# Altium PCB F103ZET6.PcbDoc (part 3 of 3)
Units mil, origin at the board's own origin, x right, y up, seen from the top; angles counter-clockwise.
Board outline 4625 x 2435 mil, 2 copper layers (Top Layer, Bottom Layer); 135 components, 144 nets, 623 pads, 269 vias.
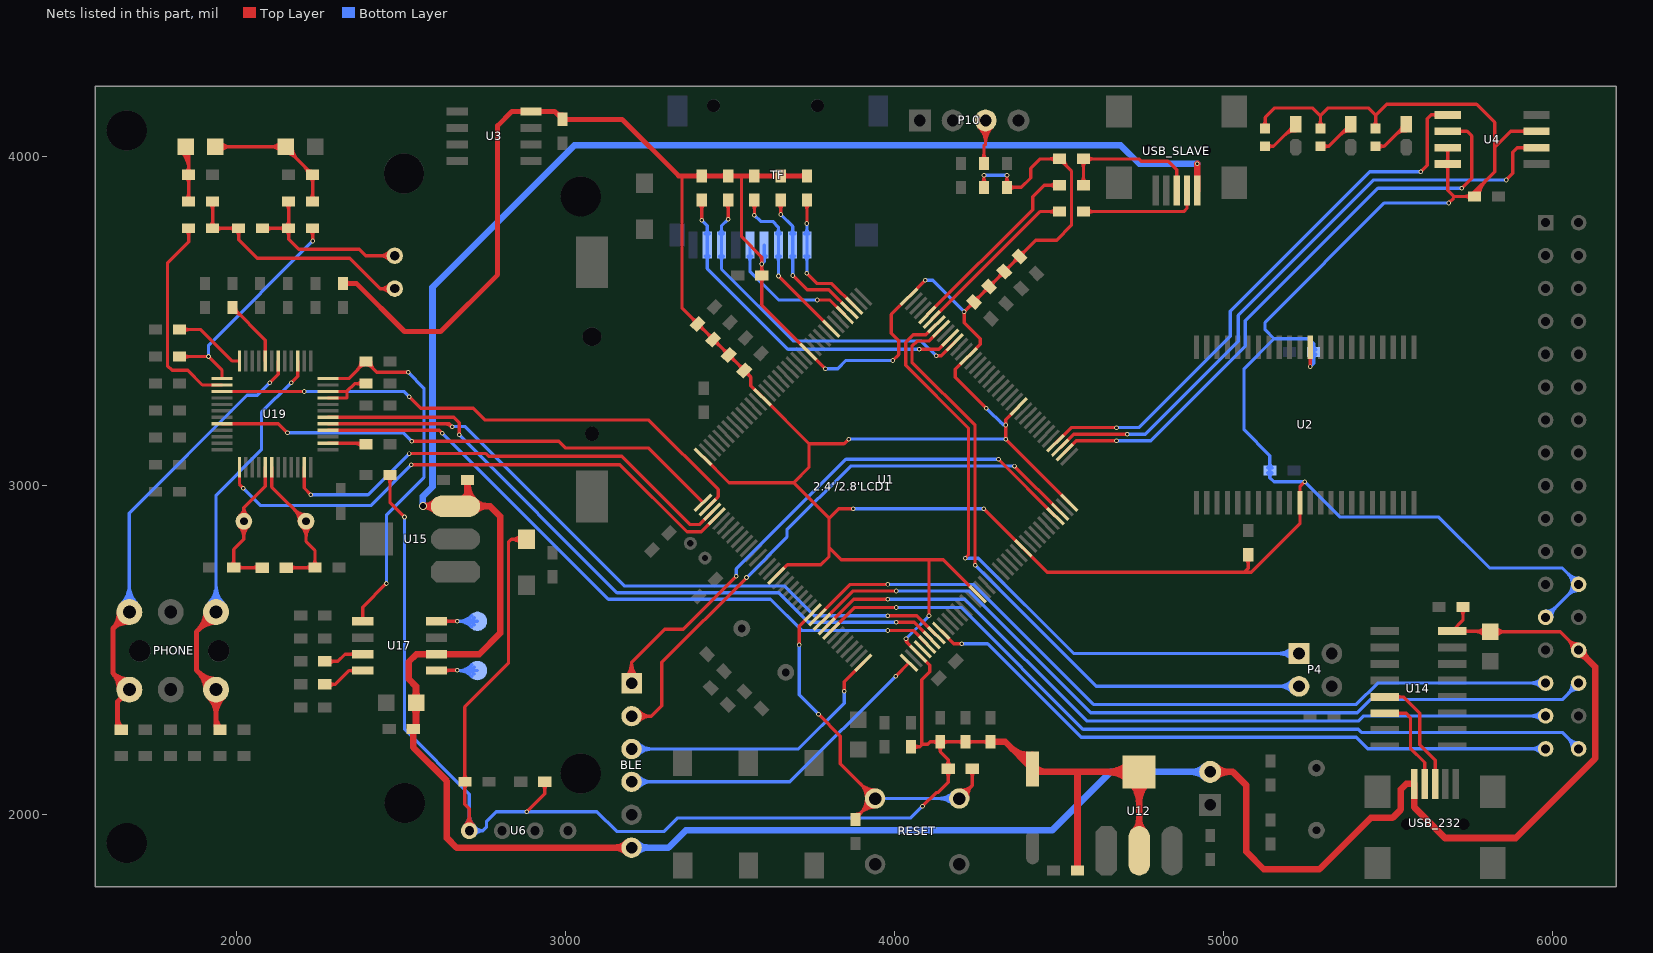
[diagram p3: the nets of this part, all layers, seen from the top]

## Via types
v1: diameter 14, hole 8, Top Layer to Bottom Layer, 262 vias
v2: diameter 24, hole 18, Top Layer to Bottom Layer, 5 vias
v3: diameter 132, hole 122.05, Top Layer to Bottom Layer, 2 vias

## Nets (pads, with @x,y where several pads share a name; then routed paths per layer and width w, separated by ;. In a path a pad name is that pad's centre, name@x,y a point inside that pad or via, vN(x,y) a via of type N, cw(c..) or ccw(c..) an arc to the next point about the centre after c; other vN are vias at no path point) (continued)
NetC87_2: C87.2 R69.1 U19.18 Y4.1 | length 719.6
  Top Layer w10: U19.18@2106.32,3056.5 2106.32,2996.17 Y4.1@2210.49,2892 2210.49,2830.51 2237.5,2803.5 C87.2@2237.5,2751 R69.1@2150.5,2751 ; R69.1@2162.35,2743.4 cw(c2180.7,2725.05) 2180.7,2751 cw(c2180.7,2776.95) R69.1@2162.35,2758.6 ; Y4.1@2189.9,2892 ccw(c2140.19,2892) 2175.34,2927.15 ccw(c2210.49,2962.3) Y4.1@2210.49,2912.59 ; Y4.1@2195.93,2877.44 cw(c2160.78,2842.29) 2210.49,2842.29 cw(c2260.2,2842.29) Y4.1@2225.05,2877.44 ; C87.2@2225.43,2743.93 ccw(c2208.36,2726.86) 2208.36,2751 ccw(c2208.36,2775.14) C87.2@2225.43,2758.07 ; C87.2@2230.43,2758.07 ccw(c2213.36,2775.14) 2237.5,2775.14 ccw(c2261.64,2775.14) C87.2@2244.57,2758.07
NetC88_2: C88.2 R69.2 U19.17 Y4.2 | length 685.1
  Top Layer w10: C88.2@1983.43,2758.07 ccw(c1966.36,2775.14) 1990.5,2775.14 ccw(c2014.64,2775.14) C88.2@1997.57,2758.07 ; C88.2@2002.57,2743.93 cw(c2019.64,2726.86) 2019.64,2751 cw(c2019.64,2775.14) C88.2@2002.57,2758.07 ; Y4.2@2006.95,2877.44 cw(c1971.8,2842.29) 2021.51,2842.29 cw(c2071.22,2842.29) Y4.2@2036.07,2877.44 ; Y4.2@2009.05,2908.39 ccw(c1989.97,2933.51) 2021.51,2933.51 ; Y4.2@2033.97,2908.39 cw(c2053.06,2933.51) 2021.51,2933.51 ; R69.2@2065.65,2743.4 ccw(c2047.3,2725.05) 2047.3,2751 ccw(c2047.3,2776.95) R69.2@2065.65,2758.6 ; R69.2@2077.5,2751 C88.2@1990.5,2751 1990.5,2806.5 2021.51,2837.51 Y4.2@2021.51,2892 2021.51,2933.51 ; U19.17@2086.63,3056.5 2086.63,2998.63 2021.51,2933.51
NetC89_2: C89.2 C90.2 R71.1 R73.2 | length 786.2
  Top Layer w10: C90.2@1935,4031 C89.2@2149,4031 ; C90.2@1949.14,4016.86 cw(c1983.28,3982.72) 1983.28,4031 cw(c1983.28,4079.28) C90.2@1949.14,4045.14 ; C89.2@2134.86,4016.86 ccw(c2100.72,3982.72) 2100.72,4031 ccw(c2100.72,4079.28) C89.2@2134.86,4045.14 ; C89.2@2149,4011 cw(c2149,3971.17) 2177.17,3999.33 ; C89.2@2149,4027.5 R71.1@2230.5,3946 R73.2@2230.5,3864.5 ; C89.2@2159,4031 ccw(c2191.59,4031) C89.2@2168.55,4007.95 ; C89.2@2169,4031 ccw(c2225.73,4031) 2185.62,3990.88 ; 2204.89,3971.61 cw(c2179.29,3946) R71.1@2215.5,3946 ; R71.1@2215.16,3961.34 ccw(c2226.25,3972.43) R71.1@2226.25,3956.75 ; R73.2@2222.9,3872.1 ccw(c2204.55,3890.45) 2230.5,3890.45 ccw(c2256.45,3890.45) R73.2@2238.1,3872.1 ; R71.1@2222.9,3938.4 cw(c2204.55,3920.05) 2230.5,3920.05 cw(c2256.45,3920.05) R71.1@2238.1,3938.4
NetC90_1: C90.1 R75.1 R76.1 | length 397.9
  Top Layer w10: C90.1@1830.86,4016.86 cw(c1776.19,3962.19) 1853.5,3962.19 ; C90.1@1837.93,4023.93 cw(c1800.34,3986.34) 1853.5,3986.34 ; R75.1@1845.9,3872.1 ccw(c1827.55,3890.45) 1853.5,3890.45 ccw(c1879.45,3890.45) R75.1@1861.1,3872.1 ; R76.1@1845.9,3938.4 cw(c1827.55,3920.05) 1853.5,3920.05 cw(c1879.45,3920.05) R76.1@1861.1,3938.4 ; R76.1@1845.9,3953.6 ccw(c1827.55,3971.95) 1853.5,3971.95 ccw(c1879.45,3971.95) R76.1@1861.1,3953.6 ; R75.1@1853.5,3864.5 R76.1@1853.5,3946 C90.1@1853.5,4022.5 ; 1853.5,4003.24 cw(c1872.76,4003.24) C90.1@1859.14,4016.86
NetC94_1: C94.1 U19.44 | length 242.4
  Top Layer w10: C94.1@1987,3527.5 cw(c1987,3491.29) 2012.61,3516.89 ; C94.1@1987,3542.5 2086.63,3442.87 U19.44@2086.63,3379.33 ; C94.1@1997,3537.5 ccw(c2009.07,3537.5) C94.1@2000.53,3528.96
NetC95_1: C95.1 C96.2 MIC.1 R73.1 | length 805.8
  Top Layer w10: C96.2@2078.5,3783 C95.1@2157.5,3783 ; C96.2@2090.57,3775.93 cw(c2107.64,3758.86) 2107.64,3783 cw(c2107.64,3807.14) C96.2@2090.57,3790.07 ; C95.1@2145.43,3775.93 ccw(c2128.36,3758.86) 2128.36,3783 ccw(c2128.36,3807.14) C95.1@2145.43,3790.07 ; R73.1@2149.9,3856.9 cw(c2131.55,3838.55) 2157.5,3838.55 cw(c2183.45,3838.55) R73.1@2165.1,3856.9 ; C95.1@2150.43,3775.93 cw(c2133.36,3758.86) 2157.5,3758.86 cw(c2181.64,3758.86) C95.1@2164.57,3775.93 ; C95.1@2150.43,3790.07 ccw(c2133.36,3807.14) 2157.5,3807.14 ccw(c2181.64,3807.14) C95.1@2164.57,3790.07 ; R73.1@2157.5,3864.5 C95.1@2157.5,3783 ; MIC.1@2466.15,3685.43 ccw(c2432.01,3651.29) 2432.01,3699.58 ccw(c2432.01,3747.86) MIC.1@2466.15,3713.72 ; MIC.1@2480.29,3699.58 2391.42,3699.58 2372,3719 2188,3719 2157.5,3749.5 C95.1@2157.5,3783
NetC95_2: C95.2 C104.2 U19.1 | length 769.1
  Top Layer w10: C104.2@1825.5,3392.83 1914.17,3392.83 1954.74,3352.26 U19.1@1954.74,3326.18 ; C104.2@1837.57,3385.76 cw(c1854.64,3368.69) 1854.64,3392.83 cw(c1854.64,3416.98) C104.2@1837.57,3399.9 ; C95.2@2223.43,3775.93 cw(c2206.36,3758.86) 2230.5,3758.86 cw(c2254.64,3758.86) C95.2@2237.57,3775.93 ; v1(2230.5,3744.5) C95.2@2230.5,3783
  Bottom Layer w10: v1(1914,3393) 1914,3428 v1(2230.5,3744.5)
NetC96_1: C96.1 C99.2 MIC.2 R75.2 | length 989.1
  Top Layer w10: R75.2@1918.9,3856.9 cw(c1900.55,3838.55) 1926.5,3838.55 cw(c1952.45,3838.55) R75.2@1934.1,3856.9 ; C99.2@1919.43,3790.07 ccw(c1902.36,3807.14) 1926.5,3807.14 ccw(c1950.64,3807.14) C99.2@1933.57,3790.07 ; R75.2@1926.5,3864.5 C99.2@1926.5,3783 C96.1@2005.5,3783 2005.5,3748.5 2062,3692 2344,3692 2436.42,3599.58 MIC.2@2480.29,3599.58 ; C99.2@1938.57,3775.93 cw(c1955.64,3758.86) 1955.64,3783 cw(c1955.64,3807.14) C99.2@1938.57,3790.07 ; C96.1@1993.43,3775.93 ccw(c1976.36,3758.86) 1976.36,3783 ccw(c1976.36,3807.14) C96.1@1993.43,3790.07 ; C96.1@1998.43,3775.93 cw(c1981.36,3758.86) 2005.5,3758.86 cw(c2029.64,3758.86) C96.1@2012.57,3775.93 ; MIC.2@2465.19,3586.46 ccw(c2436.43,3561.47) 2436.43,3599.58 ccw(c2436.43,3637.68) MIC.2@2465.19,3612.69
NetC99_1: C99.1 U19.2 | length 672.6
  Top Layer w10: C99.1@1846.43,3775.93 cw(c1829.36,3758.86) 1853.5,3758.86 cw(c1877.64,3758.86) C99.1@1860.57,3775.93 ; C99.1@1853.5,3783 1853.5,3741.5 1789,3677 1789,3365 1803,3351 1851,3351 1895.5,3306.5 U19.2@1954.74,3306.5
NetC103_2: C103.2 U19.48 | length 259.9
  Top Layer w10: C103.2@1825.5,3475 1891,3475 1986.67,3379.33 U19.48@2007.89,3379.33 ; C103.2@1837.57,3467.93 cw(c1854.64,3450.86) 1854.64,3475 cw(c1854.64,3499.14) C103.2@1837.57,3482.07
NetDS1_1: DS1.1 R20.2 | length 225.3
  Top Layer w10: R20.2@5463.16,4032.5 5488.7,4032.5 DS1.1@5556.2,4100 ; R20.2@5470.23,4025.42 cw(c5487.3,4008.35) 5487.3,4032.5 cw(c5487.3,4056.64) R20.2@5470.23,4039.57 ; 5522.06,4065.85 cw(c5556.2,4031.71) DS1.1@5556.2,4080 ; DS1.1@5539.13,4082.92 cw(c5556.2,4065.85) DS1.1@5556.2,4090 ; DS1.1@5540.16,4083.96 ccw(c5531.63,4092.5) DS1.1@5543.7,4092.5
NetDS2_1: DS2.1 R22.2 | length 225.3
  Top Layer w10: R22.2@5295.08,4032.5 5320.62,4032.5 DS2.1@5388.12,4100 ; R22.2@5302.15,4025.42 cw(c5319.22,4008.35) 5319.22,4032.5 cw(c5319.22,4056.64) R22.2@5302.15,4039.57 ; 5353.98,4065.85 cw(c5388.12,4031.71) DS2.1@5388.12,4080 ; DS2.1@5371.05,4082.92 cw(c5388.12,4065.85) DS2.1@5388.12,4090 ; DS2.1@5372.08,4083.96 ccw(c5363.55,4092.5) DS2.1@5375.62,4092.5
NetDS3_1: DS3.1 R24.2 | length 225.3
  Top Layer w10: R24.2@5126.99,4032.5 5152.54,4032.5 DS3.1@5220.04,4100 ; R24.2@5134.07,4025.42 cw(c5151.14,4008.35) 5151.14,4032.5 cw(c5151.14,4056.64) R24.2@5134.07,4039.57 ; 5185.89,4065.85 cw(c5220.04,4031.71) DS3.1@5220.04,4080 ; DS3.1@5202.96,4082.92 cw(c5220.04,4065.85) DS3.1@5220.04,4090 ; DS3.1@5204,4083.96 ccw(c5195.46,4092.5) DS3.1@5207.54,4092.5
NetP10_3: P10.3 R5.1 | length 351.3
  Top Layer w10: P10.3@4256.87,4090.87 cw(c4208.28,4042.28) 4277,4042.28 cw(c4345.72,4042.28) P10.3@4297.13,4090.87 ; P10.3@4263.94,4097.94 cw(c4232.42,4066.42) 4277,4066.42 cw(c4321.58,4066.42) P10.3@4290.06,4097.94 ; R5.1@4264.4,3992.35 ccw(c4246.05,4010.7) 4272,4010.7 ccw(c4297.95,4010.7) R5.1@4279.6,3992.35 ; R5.1@4272,3980.5 4272,4034 4277,4039 P10.3@4277,4111
NetPHONE_1: PHONE.1 R51.2 U19.39 | length 2074.8
  Top Layer w10: v1(2165,3313) 2185.06,3333.06 U19.39@2185.06,3379.33
  Top Layer w15: PHONE.1@1905.02,2379.89 ccw(c1828.08,2379.89) 1882.48,2434.3 ccw(c1936.89,2488.7) PHONE.1@1936.89,2411.76 ; PHONE.1@1905.02,2616.11 cw(c1828.08,2616.11) 1882.48,2561.7 cw(c1936.89,2507.3) PHONE.1@1936.89,2584.24 ; PHONE.1@1914.35,2357.35 cw(c1859.95,2302.95) 1936.89,2302.95 cw(c2013.83,2302.95) PHONE.1@1959.43,2357.35 ; PHONE.1@1920.02,2379.89 ccw(c1879.29,2379.89) 1908.09,2408.69 ccw(c1936.89,2437.49) PHONE.1@1936.89,2396.76 ; PHONE.1@1920.02,2616.11 cw(c1879.29,2616.11) 1908.09,2587.31 cw(c1936.89,2558.51) PHONE.1@1936.89,2599.24 ; PHONE.1@1924.96,2367.96 cw(c1896.16,2339.16) 1936.89,2339.16 cw(c1977.62,2339.16) PHONE.1@1948.82,2367.96 ; R51.2@1936.89,2269.61 PHONE.1@1936.89,2379.89 1877,2439.78 1877,2556.22 PHONE.1@1936.89,2616.11 ; 1936.89,2295.68 ccw(c1981.92,2295.68) R51.2@1950.08,2263.83
  Bottom Layer w10: PHONE.1@1912.59,2640.41 ccw(c1853.91,2699.09) 1936.89,2699.09 ccw(c2019.87,2699.09) PHONE.1@1961.19,2640.41 ; PHONE.1@1919.66,2633.34 ccw(c1878.06,2674.94) 1936.89,2674.94 ccw(c1995.72,2674.94) PHONE.1@1954.12,2633.34 ; PHONE.1@1936.89,2616.11 1936.89,2971.89 2075,3110 2075,3223 v1(2165,3313)
NetPHONE_3: PHONE.3 R52.2 U19.42 | length 1842.4
  Top Layer w10: v1(2100,3313) 2126,3339 U19.42@2126,3379.33
  Top Layer w15: R52.2@1637,2269.5 1637,2343.78 PHONE.3@1673.11,2379.89 1623,2430 ; 1637,2295.41 ccw(c1681.66,2295.41) R52.2@1650.08,2263.83 ; PHONE.3@1641.3,2381.8 ccw(c1578.56,2385.56) 1623,2430 ; PHONE.3@1641.3,2614.2 cw(c1578.56,2610.44) 1623,2566 ; PHONE.3@1671.2,2411.7 cw(c1667.44,2474.44) 1623,2430 ; PHONE.3@1671.2,2584.3 ccw(c1667.44,2521.56) 1623,2566 ; PHONE.3@1673.11,2616.11 1623,2566 ; 1623,2430 1623,2566
  Bottom Layer w10: PHONE.3@1648.81,2640.41 ccw(c1590.13,2699.09) 1673.11,2699.09 ccw(c1756.09,2699.09) PHONE.3@1697.41,2640.41 ; PHONE.3@1655.88,2633.34 ccw(c1614.28,2674.94) 1673.11,2674.94 ccw(c1731.94,2674.94) PHONE.3@1690.34,2633.34 ; PHONE.3@1673.11,2616.11 1673.11,2917.11 2031,3275 2062,3275 v1(2100,3313)
NetR32_1: R32.1 R35.1 USB_SLAVE.3 | length 581.2
  Top Layer w10: R32.1@4566.9,3921.6 ccw(c4548.55,3939.95) 4574.5,3939.95 ccw(c4600.45,3939.95) R32.1@4582.1,3921.6 ; R35.1@4566.9,3986.4 cw(c4548.55,3968.05) 4574.5,3968.05 cw(c4600.45,3968.05) R35.1@4582.1,3986.4 ; R32.1@4574.5,3914 R35.1@4574.5,3994 4743,3994 4750,3987 4832,3987 4858,3961 USB_SLAVE.3@4858,3897.64 ; R35.1@4586.35,3986.4 cw(c4604.7,3968.05) 4604.7,3994 cw(c4604.7,4019.95) R35.1@4586.35,4001.6 ; USB_SLAVE.3@4854.57,3936.49 ccw(c4846.31,3944.76) 4858,3944.76 ccw(c4869.69,3944.76) USB_SLAVE.3@4861.42,3936.49
NetR33_1: R33.1 USB_SLAVE.2 | length 432.2
  Top Layer w10: R33.1@4574.5,3834 4880,3834 4889.49,3843.49 USB_SLAVE.2@4889.49,3897.64 ; R33.1@4586.35,3826.4 cw(c4604.7,3808.05) 4604.7,3834 cw(c4604.7,3859.95) R33.1@4586.35,3841.6 ; USB_SLAVE.2@4886.07,3858.78 cw(c4877.8,3850.51) 4889.49,3850.51 cw(c4901.18,3850.51) USB_SLAVE.2@4892.92,3858.78
NetR58_2: R58.2 U17.3 | length 193.8
  Top Layer w10: R58.2@2267.5,2466 2307,2466 2329,2488 U17.3@2383,2488 ; R58.2@2279.35,2458.4 cw(c2297.7,2440.05) 2297.7,2466 cw(c2297.7,2491.95) R58.2@2279.35,2473.6 ; U17.3@2357.7,2482.7 ccw(c2344.89,2469.89) 2344.89,2488 ccw(c2344.89,2506.11) U17.3@2357.7,2493.3
NetR61_2: R61.2 U17.4 | length 202.1
  Top Layer w10: R61.2@2267.5,2396 2299,2396 2341,2438 U17.4@2383,2438 ; R61.2@2279.35,2388.4 cw(c2297.7,2370.05) 2297.7,2396 cw(c2297.7,2421.95) R61.2@2279.35,2403.6 ; U17.4@2357.7,2432.7 ccw(c2344.89,2419.89) 2344.89,2438 ccw(c2344.89,2456.11) U17.4@2357.7,2443.3
NetR68_1: R68.1 U19.26 | length 156.9
  Top Layer w10: U19.26@2277.58,3129.33 2389.5,3129.33 R68.1@2392.5,3126.33 ; 2355.06,3129.33 cw(c2355.06,3093.15) R68.1@2380.65,3118.73 ; 2369.54,3129.33 ccw(c2369.54,3145.04) R68.1@2380.65,3133.93
NetR70_2: R70.2 U19.33 U19.34 | length 242.8
  Top Layer w10: U19.33@2277.58,3267.13 2334.87,3267.13 2335,3267 ; U19.34@2277.58,3286.81 2334.81,3286.81 ; 2334.81,3267.19 2334.81,3286.81 ; R70.2@2380.65,3303.4 ccw(c2362.3,3285.05) 2362.3,3311 ccw(c2362.3,3336.95) R70.2@2380.65,3318.6 ; R70.2@2392.5,3311 2359,3311 2334.81,3286.81
NetSP+_1: SP+.1 U17.5 | length 307
  Top Layer w10: U17.5@2608.41,2439 v1(2670,2439) ; U17.5@2632.71,2432.7 cw(c2647.93,2417.48) 2647.93,2439 ; U17.5@2632.71,2443.3 ccw(c2643.1,2453.69) 2643.1,2439
  Bottom Layer w10: v1(2670,2439) 2671,2438 SP+.1@2732,2438 ; v1@2671.41,2440.41 ccw(c2677.24,2446.24) 2677.24,2438 ; SP+.1@2714.66,2420.66 ccw(c2672.79,2378.79) 2672.79,2438 ccw(c2672.79,2497.21) SP+.1@2714.66,2455.34 ; SP+.1@2721.73,2427.73 ccw(c2696.93,2402.93) 2696.93,2438 ccw(c2696.93,2473.07) SP+.1@2721.73,2448.27
NetSP-_1: SP-.1 U17.8 | length 301.1
  Top Layer w10: U17.8@2607.41,2588 v1(2670,2588) ; U17.8@2632.71,2582.7 cw(c2645.52,2569.89) 2645.52,2588 cw(c2645.52,2606.11) U17.8@2632.71,2593.3
  Bottom Layer w10: v1(2670,2588) SP-.1@2732,2588 ; SP-.1@2714.66,2570.66 ccw(c2672.79,2528.79) 2672.79,2588 ccw(c2672.79,2647.21) SP-.1@2714.66,2605.34 ; SP-.1@2721.73,2577.73 ccw(c2696.93,2552.93) 2696.93,2588 ccw(c2696.93,2623.07) SP-.1@2721.73,2598.27
NetU14_5: U14.5 USB_232.3 | length 405.4
  Top Layer w10: U14.5@5490.64,2358 5547,2358 5597,2308 5597,2212 5644,2165 USB_232.3@5644,2093.36 ; U14.5@5526.95,2353.18 cw(c5538.58,2341.56) 5538.58,2358 cw(c5538.58,2374.44) U14.5@5526.95,2362.82 ; USB_232.3@5640.58,2132.22 ccw(c5632.31,2140.49) 5644,2140.49 ccw(c5655.69,2140.49) USB_232.3@5647.43,2132.22
NetU14_6: U14.6 USB_232.2 | length 347.6
  Top Layer w10: U14.6@5490.64,2308 5556,2308 5569,2295 5569,2202 5612.51,2158.49 USB_232.2@5612.51,2093.36 ; U14.6@5526.95,2303.18 cw(c5538.58,2291.56) 5538.58,2308 cw(c5538.58,2324.44) U14.6@5526.95,2312.82 ; USB_232.2@5609.08,2132.22 ccw(c5600.82,2140.49) 5612.51,2140.49 ccw(c5624.2,2140.49) USB_232.2@5615.93,2132.22
RESET: C10.2 R3.1 RESET.1 U1.25 | length 1816.2
  Top Layer w10: v1(3710,2516) 3710,2572.9 U1.25@3751.8,2614.7 ; v1(3769,2305) 3835,2239 3835,2155 RESET.1@3941,2049 C10.2@3881,1989 ; C10.2@3881,2000.5 ccw(c3881,2028.26) 3900.63,2008.63 ; C10.2@3891,1990.5 cw(c3911.52,1990.5) 3897.01,2005.01 ; RESET.1@3941,2023 ccw(c3941,1960.23) 3896.62,2004.62 ccw(c3852.23,2049) 3915,2049 ccw(c3852.23,2049) 3896.62,2093.38 ccw(c3941,2137.77) RESET.1@3941,2075 ; RESET.1@3941,2033 ccw(c3941,1994.37) 3913.69,2021.69 ccw(c3886.37,2049) 3925,2049 ccw(c3886.37,2049) 3913.69,2076.31 ccw(c3941,2103.63) RESET.1@3941,2065 ; RESET.1@4196.91,2049 4236.5,2088.59 ; RESET.1@4198.25,2064.94 ccw(c4200.69,2093.94) 4221.27,2073.36 ccw(c4241.85,2052.79) RESET.1@4212.85,2050.34 ; RESET.1@4199.09,2074.91 ccw(c4203.06,2122.03) 4236.5,2088.59 ; RESET.1@4222.81,2051.18 cw(c4269.94,2055.15) 4236.5,2088.59 ; R3.1@4228.9,2132.4 cw(c4210.55,2114.05) 4236.5,2114.05 cw(c4262.45,2114.05) R3.1@4244.1,2132.4 ; R3.1@4236.5,2140 4236.5,2088.59
  Bottom Layer w10: v1(3710,2516) 3710,2364 v1(3769,2305) ; RESET.1@3941,2049 4121,2049 RESET.1@4196.91,2049 ; RESET.1@4178.52,2030.62 ccw(c4134.14,1986.23) 4134.14,2049 ccw(c4134.14,2111.77) RESET.1@4178.52,2067.38 ; RESET.1@4185.59,2037.69 ccw(c4158.28,2010.37) 4158.28,2049 ccw(c4158.28,2087.63) RESET.1@4185.59,2060.31
SDIO_CMD: R28.1 TF.3 U1.116 | length 617.5
  Top Layer w10: R28.1@3566.4,3857.65 cw(c3548.05,3839.3) 3574,3839.3 cw(c3599.95,3839.3) R28.1@3581.6,3857.65 ; v1(3574,3823) R28.1@3574,3869.5 ; v1(3647.09,3638.09) U1.116@3807.48,3477.7
  Bottom Layer w10: v1(3574,3823) 3593,3804 3630,3804 3647.09,3786.91 TF.3@3647.09,3732.52 v1(3647.09,3638.09) ; TF.3@3640.88,3698.75 cw(c3625.89,3683.77) 3647.09,3683.77 cw(c3668.28,3683.77) TF.3@3653.29,3698.75 ; TF.3@3640.88,3766.29 ccw(c3625.89,3781.27) 3647.09,3781.27 ccw(c3668.28,3781.27) TF.3@3653.29,3766.29
SDIO_D0: R29.1 TF.7 U1.98 | length 1161.9
  Top Layer w10: R29.1@3486.4,3857.65 cw(c3468.05,3839.3) 3494,3839.3 cw(c3519.95,3839.3) R29.1@3501.6,3857.65 ; v1(3494,3811) R29.1@3494,3869.5 ; v1(4127,3395) 4142.35,3395 U1.98@4183.3,3435.95
  Bottom Layer w10: TF.7@3467.65,3698.75 cw(c3452.66,3683.77) 3473.86,3683.77 cw(c3495.05,3683.77) TF.7@3480.07,3698.75 ; TF.7@3467.65,3766.29 ccw(c3452.66,3781.27) 3473.86,3781.27 ccw(c3495.05,3781.27) TF.7@3480.07,3766.29 ; v1(3494,3811) 3473.86,3790.86 TF.7@3473.86,3732.52 3473.86,3659.14 3693,3440 4082,3440 v1(4127,3395)
SDIO_D1: R18.1 TF.8 U1.99 | length 1178.2
  Top Layer w10: R18.1@3406.4,3857.65 cw(c3388.05,3839.3) 3414,3839.3 cw(c3439.95,3839.3) R18.1@3421.6,3857.65 ; v1(3414,3808) R18.1@3414,3869.5 ; v1(4075,3415) 4134.52,3415 U1.99@4169.38,3449.86
  Bottom Layer w10: v1(3414,3808) 3430.55,3791.45 TF.8@3430.55,3732.52 3430.55,3660.45 3676,3415 v1(4075,3415) ; TF.8@3424.34,3698.75 cw(c3409.36,3683.77) 3430.55,3683.77 cw(c3451.75,3683.77) TF.8@3436.76,3698.75 ; TF.8@3424.34,3766.29 ccw(c3409.36,3781.27) 3430.55,3781.27 ccw(c3451.75,3781.27) TF.8@3436.76,3766.29
SDIO_D2: R21.1 TF.1 U1.111 | length 514.6
  Top Layer w10: R21.1@3726.4,3857.65 cw(c3708.78,3840.02) 3733.7,3840.02 ; v1(3733.7,3646.3) 3765,3615 3809.37,3615 U1.111@3877.07,3547.3 ; v1(3733.7,3797.7) R21.1@3733.7,3869.2 ; 3733.7,3838.58 cw(c3760.67,3838.58) R21.1@3741.6,3857.65
  Bottom Layer w10: TF.1@3727.49,3698.75 cw(c3712.5,3683.77) 3733.7,3683.77 cw(c3754.9,3683.77) TF.1@3739.91,3698.75 ; TF.1@3727.49,3766.29 ccw(c3712.5,3781.27) 3733.7,3781.27 ccw(c3754.9,3781.27) TF.1@3739.91,3766.29 ; v1(3733.7,3646.3) TF.1@3733.7,3732.52 v1(3733.7,3797.7)
SDIO_D3: R23.1 TF.2 U1.112 | length 569.1
  Top Layer w10: R23.1@3646.4,3857.65 cw(c3628.05,3839.3) 3654,3839.3 cw(c3679.95,3839.3) R23.1@3661.6,3857.65 ; v1(3654,3825) R23.1@3654,3869.5 ; v1(3690.39,3639.61) 3734,3596 3800.53,3596 U1.112@3863.15,3533.38
  Bottom Layer w10: v1(3654,3825) 3690.39,3788.61 TF.2@3690.39,3732.52 v1(3690.39,3639.61) ; TF.2@3684.19,3698.75 cw(c3669.2,3683.77) 3690.39,3683.77 cw(c3711.59,3683.77) TF.2@3696.6,3698.75 ; TF.2@3684.19,3766.29 ccw(c3669.2,3781.27) 3690.39,3781.27 ccw(c3711.59,3781.27) TF.2@3696.6,3766.29
SDIO_SCK: TF.5 U1.113 | length 457.2
  Top Layer w10: v1(3765,3565) 3803.7,3565 U1.113@3849.23,3519.46
  Bottom Layer w10: TF.5@3554.26,3698.75 cw(c3539.28,3683.77) 3560.47,3683.77 cw(c3581.67,3683.77) TF.5@3566.68,3698.75 ; TF.5@3560.47,3732.52 3560.47,3652.53 3648,3565 v1(3765,3565)
SPI1_CS: U1.40
SPI2_MISO: U1.75 U4.2 | length 1936.7
  Top Layer w10: U1.75@4503.45,3115.8 4544.65,3157 v1(4708,3157) ; v1(5860,3930) 5880,3950 5880,4014 5894.06,4028.06 U4.2@5952,4028.06 ; U4.2@5919.05,4023.11 ccw(c5907.1,4011.16) 5907.1,4028.06 ccw(c5907.1,4044.96) U4.2@5919.05,4033.01
  Bottom Layer w10: v1(4708,3157) 4763,3157 5045,3439 5045,3518 5457,3930 v1(5860,3930)
SPI2_MOSI: U1.76 U4.5 | length 1759.6
  Top Layer w10: U1.76@4489.53,3129.72 4536.81,3177 v1(4675,3177) ; v1(5600,3955) 5620,3975 5620,4116 5632,4128 U4.5@5682,4128 ; U4.5@5649.05,4123.05 ccw(c5637.1,4111.1) 5637.1,4128 ccw(c5637.1,4144.9) U4.5@5649.05,4132.95
  Bottom Layer w10: v1(4675,3177) 4743,3177 5021,3455 5021,3531 5445,3955 v1(5600,3955)
SPI2_SCK: U1.74 U4.6 | length 1862.2
  Top Layer w10: U1.74@4517.36,3101.88 4552.48,3137 v1(4675,3137) ; U4.6@5682,4078 5741,4078 5755,4064 5755,3935 v1(5725,3905) ; U4.6@5714.95,4073.05 cw(c5726.9,4061.1) 5726.9,4078 cw(c5726.9,4094.9) U4.6@5714.95,4082.95
  Bottom Layer w10: v1(4675,3137) 4779,3137 5067,3425 5067,3502 5470,3905 v1(5725,3905)
SPK_CTRL: R53.2 U17.1 U19.36 | length 1242.4
  Top Layer w10: U19.36@2277.58,3326.18 2340.68,3326.18 R53.2@2392.5,3378 2425.5,3345 v1(2521,3345) ; 2366.89,3352.39 ccw(c2341.29,3378) R53.2@2377.5,3378 ; R53.2@2377.16,3362.66 cw(c2388.25,3351.57) R53.2@2388.25,3367.25 ; U17.1@2377.7,2593.3 ccw(c2364.89,2606.11) 2383,2606.11 ccw(c2401.11,2606.11) U17.1@2388.3,2593.3 ; U17.1@2383,2588 2383,2631 v1(2455,2703) ; R53.2@2396.75,3367.25 cw(c2396.75,3351.57) R53.2@2407.84,3362.66 ; R53.2@2407.5,3378 ccw(c2443.71,3378) 2418.11,3352.39
  Bottom Layer w10: v1(2455,2703) 2455,2911 2569,3025 2569,3297 v1(2521,3345)
T_CLK: 2.4'/2.8'LCD1.34 U1.29 | length 2550.9
  Top Layer w10: U1.29@3807.48,2559.02 3878.45,2630 v1(4005,2630)
  Bottom Layer w10: v1(4005,2630) 4203,2630 4573,2260 4895,2260 5410,2260 5420,2250 6030.31,2250 2.4'/2.8'LCD1.34@6080.24,2200.08 ; 2.4'/2.8'LCD1.34@6061.61,2200.08 ccw(c6016.66,2200.08) 6048.45,2231.87 ccw(c6080.24,2263.66) 2.4'/2.8'LCD1.34@6080.24,2218.7